# Altium PCB PCB_Incense.PcbDoc (part 2 of 3) (continued)
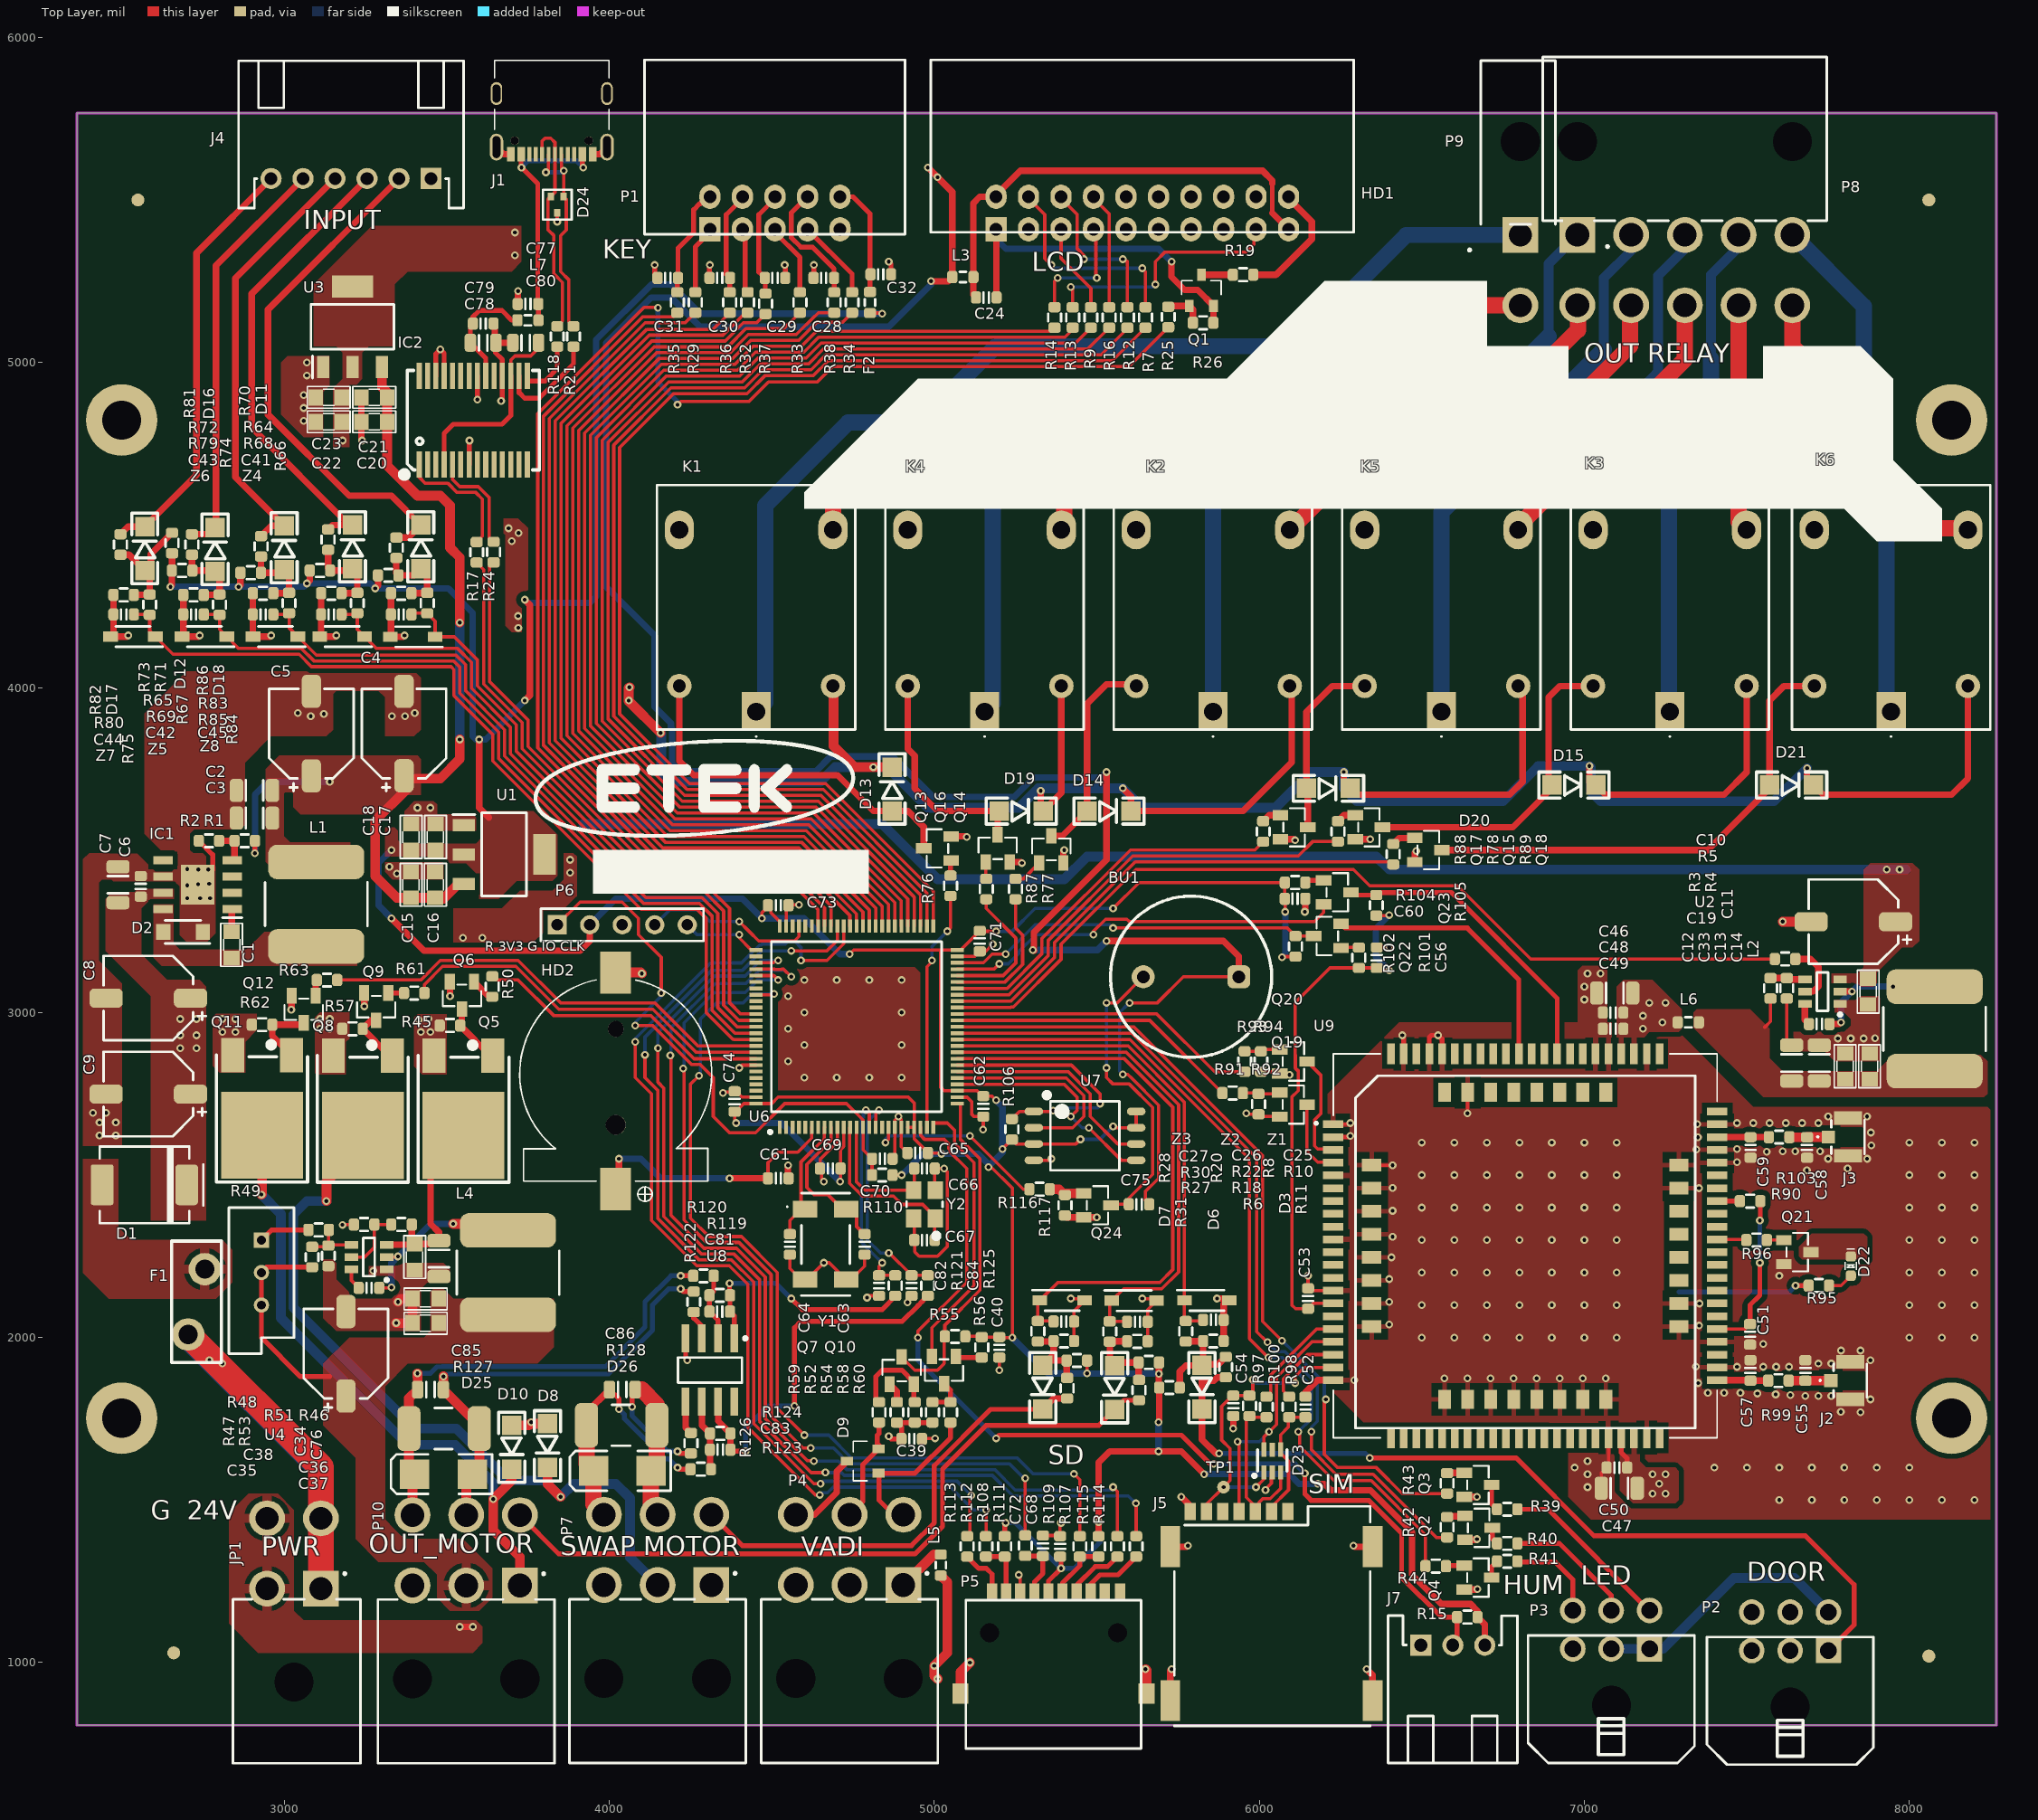
[diagram p0: Top Layer view]
## Nets (pads, with @x,y where several pads share a name; then routed paths per layer and width w, separated by ;. In a path a pad name is that pad's centre, name@x,y a point inside that pad or via, vN(x,y) a via of type N, cw(c..) or ccw(c..) an arc to the next point about the centre after c; other vN are vias at no path point) (continued)
  Top Layer w15: IC1.9@2733.62,3393.31 v1(2735.3,3394.98) 2780,3439.69 2780,3485.44 R2.2@2737.13,3528.31 ; IC2.26@3466.54,4958.41 3466.54,5026.54 v1(3480,5040) 3492.13,5027.87 IC2.25@3492.13,4958.41 ; IC2.7@3568.9,4686.69 3568.9,4758.9 v1(3570,4760) ; v1(3594.49,4885.51) IC2.21@3594.49,4958.41 ; C78.1@3650,5062.28 3650,5030 3671.26,5008.74 IC2.18@3671.26,4958.41 3671.26,4885.17 v1(3667.35,4881.26) ; C86.2@4000.63,1840 4030,1810.63 v1(4030,1780) ; v1(4140,5300) 4140,5268.5 C31.1@4148.5,5260 ; v1(4210,1600) 4215,1595 R123.2@4250,1595 ; v1(4220,2190) R120.2@4258.51,2190 ; U8.4@4235,1997.44 4235,1935 v1(4240,1930) ; C30.1@4308.5,5260 4308.5,5298.5 v1(4310,5300) ; v1(4540,5300) 4541.5,5298.5 C29.1@4541.5,5260 ; C28.1@4628.5,5260 4630,5261.5 v1(4630,5300) ; v1(4860,5310) 4866.86,5303.14 C32.1@4866.86,5271.34 ; v1(6440,2930) 6444.09,2925.91 U9.80@6444.09,2872.8 ; U9.78@6522.83,2872.8 6522.83,2922.83 6530,2930 v1(6550,2930) 6562.2,2917.8 U9.77@6562.2,2872.8
  Top Layer w20: R80.2@2474.61,4285 C44.1@2474.6,4225 2474.6,4165.75 Z7.2@2465.51,4156.65 2516.65,4156.65 v1(2520,4160) ; R69.2@2689.61,4285 C42.1@2689.6,4225 2689.6,4160.75 Z5.2@2685.51,4156.65 2736.65,4156.65 v1(2740,4160) ; R85.2@2903.51,4290 C45.1@2903.5,4225 2903.5,4157.56 Z8.2@2904.41,4156.65 2956.65,4156.65 v1(2960,4160) ; v1(3021.84,3008.63) 3022.49,3009.29 3022.49,3051.48 Q12.2@3023,3051.99 ; R79.2@3113.51,4290 C43.1@3113.5,4225 3113.5,4160.75 Z6.2@3109.41,4156.65 3156.65,4156.65 v1(3160,4160) ; C21.2@3237.05,4892.13 C20.2@3237.05,4817.13 3237.05,4762.95 v1(3240,4760) ; Q9.2@3246,3060 3246.3,3059.7 3246.3,3019.5 v1(3246.68,3019.12) ; R68.2@3328.51,4290 C41.1@3328.5,4225 3328.5,4158.05 Z4.2@3326.46,4156.01 3366.01,4156.01 v1(3370,4160) ; Q6.2@3509.73,3094.71 3509.73,3050.27 v1(3510,3050) ; v1(3540,1110) v1(3580,1110) ; C79.2@3643.7,5119.76 3647.64,5115.83 3647.64,5064.65 3650,5062.28 C78.1@3651.57,5060.71 3703.53,5060.71 C80.2@3703.6,5060.78 ; J1.SH2@3653.07,5662.73 3675.51,5640.29 J1.B1_A12@3697.17,5640.29 ; C77.1@3718.5,5180 3718.5,5218.5 v1(3720,5220) ; R128.2@3930,1769.37 C86.2@4000.63,1840 ; J1.A1_B12@3949.13,5640.29 3970.79,5640.29 J1.SH1@3993.23,5662.73 ; v1(4550,2530) 4550,2491.5 C61.1@4551.5,2490 ; P4.6@4574.09,1455.04 4631.96,1455.04 4700,1523.08 4700,1588.23 D9.3@4731.77,1620 ; Q13.2@5051.99,3542 5098,3542 v1(5100,3540) ; HD1.1@5190,5410 5191.5,5408.5 C24.1@5191.5,5200 ; Q16.2@5232,3463.01 5266.99,3463.01 v1(5270,3460) ; Q14.2@5397,3460.02 5397,3497 v1(5400,3500) ; R117.2@5401.99,2375.51 5407.5,2370 Q24.2@5460,2370 v1(5500,2370) ; J5.Shell@5726.22,883.39 5726.22,976.22 v1(5730,980) ; J5.Shell@5726.22,1356.61 5776.61,1356.61 v1(5780,1360) ; v1(5730,5310) 5730,5263.24 5770.18,5223.06 5810.36,5223.06 Q1.2@5859.45,5173.98 5859.45,5123.11 R26.2@5858.54,5122.2 ; v1(5760,1510) 5787.64,1482.36 J5.C5@5787.64,1465.08 ; v1(5870,2120) 5902.01,2120 Z1.2@5907.64,2114.37 5900.75,2114.37 5890.24,2103.86 C25.1@5890.24,2054.37 R10.2@5890.23,1989.37 ; v1(5920,1720) C54.2@5920,1758.51 ; Q17.2@6065.02,3533 6107,3533 v1(6110,3530) ; v1(6140,3310) 6141.5,3311.5 C60.1@6141.5,3350 ; C52.2@6142.09,1817.96 6142.09,1832.09 6178.86,1868.86 U9.81@6227.56,1868.86 ; v1(6290,1360) 6293.39,1356.61 J5.Shell@6348.27,1356.61 ; Q15.2@6295.02,3533 6340.86,3533 v1(6341.04,3533.19) ; v1(6330,980) 6348.27,961.73 J5.Shell@6348.27,883.39 ; Q18.2@6478.01,3463 6478.01,3492.36 v1(6482.82,3497.18) ; Q4.2@6630.76,1224.65 6668.91,1224.65 v1(6670.73,1226.48) ; Q3.2@6630.76,1509.65 6631.11,1510 v1(6670,1510) ; Q2.2@6632.75,1377.65 6667.65,1377.65 v1(6670,1380)
  Top Layer w30: v1(3344.63,2045.17) 3345.23,2044.57 C37.1@3394.92,2044.57 C36.1@3394.92,2119.57 3359.57,2119.57 v1(3350,2110) ; P10.6@3394.65,1453.94 3394.65,1573.23 D25.2@3401.42,1580 3383.7,1597.72 R127.2@3383.7,1720 3383.7,1813.07 C85.2@3410.63,1840 3410.63,1879.37 3410,1880 v1(3410,1890) ; D10.1@3700,1730 3752.01,1730 3757.01,1735 D8.1@3810,1735 ; HD2.2@4020,3123.17 4096.83,3123.17 v1(4100,3120) ; P5.9@5080.51,904.45 5080.51,970.51 v1(5110,1000) ; v1(5650,980) 5653.35,976.65 P5.10@5653.35,904.45 ; v1(7610,3280) 7610.39,3279.61 C10.2@7697.87,3279.61
  Top Layer w50: R128.2@3930,1769.37 R128.2@3930,1730 3930,1611.42 D26.2@3951.42,1590 3951.42,1487.17 P7.6@3983.54,1455.04
  Bottom Layer w15: v1(3410,1890) 3450,1890 3470,1910 3486.97,1910 3487.74,1910.77 3988.24,1910.77 4110,2032.53 4110,2110 4190,2190 v1(4220,2190) ; v1(4030,1780) 4047,1763 4047,1750.47 4170.47,1627 4183,1627 v1(4210,1600)
  Bottom Layer w20: HD1.1@5190,5410 5190,5380 5220,5350 5690,5350 v1(5730,5310)
  other v1: 7600,1500 7700,1500 7800,1500 7900,1500 8000,1500 8100,1500 8200,1500 7010,1540 7010,1580 6970,1600 7400,1600 7500,1600 7600,1600 7700,1600 7800,1600 7900,1600 8000,1600 7010,1620 3760,1740 7850,1770 7789.18,1771.89 7880,1810 7680,1820 7720,1820 7760,1820 7633.79,1823 7588.62,1825.03 7532.39,1827.98 7380,1830 7430,1830 7480,1830 7350,1860 6292.06,1869.27 6569.67,1874.31 6640.54,1874.31 6711.4,1874.31 6782.27,1874.31 6853.13,1874.31 6924,1874.31 6994.87,1874.31 7065.73,1874.94 7470,1910 7550,1910 7590,1910 7630,1910 7343.24,1910.81 7720,1920 7760,1920 7880,1930 7790,1960 7850,1960 7550,1980 6500,2000 6600,2000 6700,2000 6800,2000 6900,2000 7000,2000 7100,2000 8000,2000 8100,2000 8200,2000 7353.35,2036.87 6400,2040 6500,2100 6600,2100 6700,2100 6800,2100 6900,2100 7000,2100 7100,2100 8000,2100 8100,2100 8200,2100 7354.03,2104.87 6400,2110 6400,2180 7600,2190 6500,2200 6600,2200 6700,2200 6800,2200 6900,2200 7000,2200 7100,2200 8000,2200 8100,2200 8200,2200 3274.42,2205.27 6406.81,2246.81 6500,2300 6600,2300 6700,2300 6800,2300 6900,2300 7000,2300 7100,2300 8000,2300 8100,2300 8200,2300 6410,2310 6410,2390 6500,2400 6600,2400 6700,2400 6800,2400 6900,2400 7000,2400 7100,2400 8000,2400 8100,2400 8200,2400 6410,2460 7352.76,2459.56 6500,2500 6600,2500 6700,2500 6800,2500 6900,2500 7000,2500 7100,2500 8000,2500 8100,2500 8200,2500 7684.68,2514.56 7810,2520 7470,2540 7750,2550 7870,2550 7561.07,2571.48 7610.42,2573.15 7725.31,2573.34 7648.78,2573.53 7344.09,2578.28 7470,2580 7882.84,2591.4 6500,2600 6600,2600 6700,2600 6800,2600 6900,2600 7000,2600 7100,2600 8000,2600 8100,2600 8200,2600 7349.36,2616.12 2431.67,2621.67 2481.67,2621.67 7881.9,2630.88 7347.12,2656.36 7470,2660 7520,2660 7570,2660 7620,2660 7670,2660 7720,2660 2431.67,2661.67 2481.67,2661.67 7750,2680 7870,2680 2411.67,2691.67 2451.67,2691.67 4600,2800 4700,2800 4800,2800 4900,2800 4550,2850 4600,2900 4900,2900 7779.61,2920.39 7819.61,2920.39 7859.61,2920.39 7894.63,2920.84 4550,2950 4600,3000 4900,3000 7000,3040 4550,3050 7000,3080 4600,3100 4700,3100 4800,3100 4900,3100 7010,3120 7050,3120 2701.67,3351.67 2741.67,3351.67 2771.67,3351.67 2701.67,3391.67 2769.1,3396.23 3346.98,3427.9 2735.71,3440.34 2766.72,3439.84 2701.67,3441.67 3323.63,3448.37 3410,3630 3450,3630 3081.67,3911.67 3331.67,3911.67 3371.67,3911.67 3121.77,3918.71 3041.67,3921.67 3401.67,3921.67 3720.4,4183.59 3720,4220 3700,4450 3720.72,4475.74 3690,4490 3060,4820 3060,4860 3060,4900 3070,4960 3070,5000
DOOR: D3.2 P2.1 R11.1 | length 2685.2
  Top Layer w15: v1(6340,1630) 6790,1630 7030,1390 7680,1390 7830,1240 7830,1116.04 P2.1@7751.26,1037.29
  Top Layer w20: v1(5876.38,1643.58) 5866.42,1643.58 5823.74,1686.26 D3.2@5823.74,1779.37 5823.74,1867.37 5860.78,1867.37 5870.74,1877.33 5870.74,1877.81 R11.1@5896.82,1877.81
  Bottom Layer w15: v1(5876.38,1643.58) 6326.42,1643.58 v1(6340,1630)
DROP: D6.2 P10.4 R23.1 | length 2253
  Top Layer w15: P10.4@3725.35,1453.94 3844.79,1334.5 4940.56,1334.5 5025.5,1419.44 5025.5,1595.5 5160,1730 5506.49,1730 D6.2@5555,1778.51 5583.5,1807.01 R23.1@5630,1807.01
EMPTY: D7.2 P7.4 R31.1 | length 1424.6
  Top Layer w15: P7.4@4314.25,1455.04 4409.29,1360 4930,1360 5000,1430 5000,1606.06 5173.31,1779.37 D7.2@5333.74,1779.37
  Top Layer w20: D7.2@5333.74,1779.37 5367.24,1812.87 R31.1@5408.74,1812.87
Flight_mode: R90.2 U9.54 | length 69.9
  Top Layer w15: U9.54@7408.66,2420.04 U9.54@7408.66,2420.04 R90.2@7478.51,2420
GND_motor: C85.1 D25.1 P10.5 R122.2 R127.1 | length 1419.9
  Top Layer w15: v1(4220,2150) 4228.51,2141.49 R122.2@4260,2141.49
  Top Layer w30: v1(3490,1880.5) 3490,1840.63 C85.1@3489.37,1840 3600.24,1729.13 R127.1@3600.24,1720 3600.24,1601.65 D25.1@3578.58,1580 3560,1561.42 P10.5@3560,1453.94
  Bottom Layer w15: v1(3490,1880.5) 3497.27,1887.77 3997.77,1887.77 4133,2023 4133,2100.47 4182.53,2150 v1(4220,2150)
GND_SWap_motor: C86.1 D26.1 P7.5 R126.2 R128.1 | length 754.3
  Top Layer w15: v1(4070,1787.08) 4070,1830.63 C86.1@4079.37,1840 ; v1(4210,1650) 4216.49,1643.51 R126.2@4251.49,1643.51
  Top Layer w20: C86.1@4079.37,1840 4100,1840
  Top Layer w50: 4100,1840 4146.54,1793.47 R128.1@4146.54,1730 4146.54,1607.95 D26.1@4128.58,1590 4128.58,1475.35 P7.5@4148.9,1455.04
  Bottom Layer w15: v1(4070,1787.08) 4070,1760 4180,1650 v1(4210,1650)
Heater: R76.2 U6.24 | length 742
  Top Layer w10: U6.24@4977.36,2646.61 4977.36,3140.57 4993,3156.21 v1(4993,3160) ; v1(5040,3250) 5050,3260 R76.2@5050,3358.51
  Bottom Layer w10: v1(4993,3160) 4993,3203 v1(5040,3250)
Heater1: K1.3 P9.2 | length 2455.8
  Top Layer w50: K1.3@4688.23,4485 4688.23,4578.23 4900,4790 5830,4790 6215.83,5175.83 P9.2@6803.28,5175.83
Heater2: K1.1 P9.1 | length 3313.7
  Bottom Layer w50: K1.1@4452.01,3925.94 4480,3953.94 4480,4560 4735,4815 4955,4815 5190,5050 6110,5050 6452.36,5392.36 P9.1@6803.28,5392.36
I_M_SENSE: C81.1 R119.2 R121.1 U8.1 | length 737.1
  Top Layer w15: v1(4370,2166.47) 4370,2131.49 R119.2@4371.49,2130 C81.1@4371.5,2080 4385,2066.5 U8.1@4385,1997.44 ; v1(4560,2120) 4593.61,2086.39 4840,2086.39 4880,2126.39 R121.1@4880,2128.5
  Bottom Layer w15: v1(4370,2166.47) 4513.53,2166.47 v1(4560,2120)
IN_DOOR: C25.2 R8.1 U6.35 Z1.1 | length 1500.7
  Top Layer w10: U6.35@5070.47,2897.2 5596.43,2897.2 5769.84,2723.79 5769.84,2269.84 Z1.1@5769.84,2114.37 5769.84,2054.77 R8.1@5773.74,2050.87 5823.74,2050.87 C25.2@5827.25,2054.37
IN_DROP: C26.2 R20.1 U6.34 Z2.1 | length 1625.1
  Top Layer w10: U6.34@5070.47,2877.52 5590.66,2877.52 5751.84,2716.33 5751.84,2319.25 5751.84,2201.84 5700,2150 5582.6,2150 5550,2117.4 Z2.1@5546.1,2113.51 5540,2107.4 R20.1@5540,2050 5592.01,2050 C26.2@5593.51,2048.51
IN_EMPTY: C27.2 R28.1 U6.33 Z3.1 | length 1788.1
  Top Layer w10: U6.33@5070.47,2857.83 5584.89,2857.83 5733.84,2708.88 5733.84,2209.3 5694.54,2170 5380.47,2170 Z3.1@5324.84,2114.37 5318.74,2108.27 R28.1@5318.74,2050.87 5365.75,2050.87 C27.2@5367.25,2049.37
INPUT1: D11.2 J4.2 R70.1 | length 1594.7
  Top Layer w20: R70.1@3345,4461.5 3381.5,4461.5 D11.2@3420,4500 3330,4590 3200,4590 2950,4840 2950,5162.75 J4.2@3353.15,5565.9
INPUT2: D16.2 J4.3 R81.1 | length 1417.7
  Top Layer w20: R81.1@3135,4486.5 3148.5,4500 D16.2@3200,4500 ; D16.2@3210,4500 D16.2@3200,4500 ; J4.3@3254.72,5565.9 2900,5211.18 2900,4800 D16.2@3200,4500
INPUT3: D18.2 J4.4 R86.1 | length 1341.3
  Top Layer w20: R86.1@2928.79,4465.9 2960.32,4497.43 D18.2@2999.72,4497.43 2850,4647.16 2850,5259.6 J4.4@3156.3,5565.9
INPUT4: D12.2 J4.5 R71.1 | length 1265.5
  Top Layer w20: R71.1@2716.1,4471.5 2766.5,4471.5 D12.2@2787.2,4492.2 2790,4495 2790,5298.03 J4.5@3057.87,5565.9
INPUT5: D17.2 J4.6 R82.1 | length 1316.5
  Top Layer w20: R82.1@2496.1,4471.5 2519.6,4495 D17.2@2571.1,4495 2730,4653.9 2730,5336.43 J4.6@2959.47,5565.9
KP_COL1: R29.1 U6.63 | length 2782.5
  Top Layer w10: R29.1@4264.97,5153.23 4233.77,5122.02 4110.26,5122.02 4102.24,5114 3816,4827.76 3816,4761.47 3816,3829.46 4157.46,3488 4576.53,3488 4760.83,3303.7 U6.63@4760.83,3265.91
KP_COL2: R32.1 U6.61 | length 2899.9
  Top Layer w10: R32.1@4425.77,5153.23 4418.67,5153.23 4349.42,5083.98 4123.13,5083.98 3852,4812.85 3852,4746.56 3852,3844.37 4172.37,3524 4591.44,3524 4800.2,3315.25 U6.61@4800.2,3265.91
KP_COL3: R33.1 U6.59 | length 3017.4
  Top Layer w10: R33.1@4586.57,5153.23 4537.34,5104 4420.35,5104 4364.34,5047.98 4138.04,5047.98 3888,4797.94 3888,4731.65 3888,3859.28 4187.28,3560 4606.35,3560 4839.57,3326.79 U6.59@4839.57,3265.91
KP_COL4: R34.1 U6.57 | length 3134.9
  Top Layer w10: R34.1@4747.36,5153.23 4718.36,5124.22 4639.14,5124.22 4582.92,5068 4435.27,5068 4379.25,5011.98 4152.95,5011.98 3924,4783.03 3924,4716.73 3924,3874.19 4202.19,3596 4621.27,3596 4878.94,3338.33 U6.57@4878.94,3265.91
KP_ROW1: R35.1 U6.64 | length 2748.9
  Top Layer w10: R35.1@4209.71,5153.23 4196.5,5140.02 4102.8,5140.02 4098.78,5135.99 3798,4835.22 3798,3822 4150,3470 4569.07,3470 4740.24,3298.84 4740.24,3266.81 U6.64@4741.14,3265.91
KP_ROW2: R36.1 U6.62 | length 2866.4
  Top Layer w10: R36.1@4370.5,5153.23 4319.26,5101.98 4115.68,5101.98 3834,4820.31 3834,4754.01 3834,3836.91 4164.91,3506 4583.99,3506 4780.51,3309.47 U6.62@4780.51,3265.91
KP_ROW3: R37.1 U6.60 | length 2931.6
  Top Layer w10: R37.1@4480.84,5149.06 4453.78,5122 4412.9,5122 4356.88,5065.98 4130.59,5065.98 3870,4805.4 3870,4739.1 3870,3851.82 4179.82,3542 4598.9,3542 4819.88,3321.02 U6.60@4819.88,3265.91
KP_ROW4: R38.1 U6.58 | length 3101.3
  Top Layer w10: R38.1@4692.1,5153.23 4643.23,5153.23 4632.22,5142.22 4631.68,5142.22 4575.46,5086 4427.81,5086 4371.79,5029.98 4145.5,5029.98 3906,4790.48 3906,4724.19 3906,3866.73 4194.73,3578 4613.81,3578 4859.25,3332.56 U6.58@4859.25,3265.91
LCD_CLK: HD1.6 R12.2 | length 500.4
  Top Layer w10: HD1.6@5390,5510 5390,5505 5440,5455 5440,5350 5460,5330 v1(5460,5318) ; v1(5580,5318) 5583.79,5318 5589.65,5312.14 5594,5312.14 R12.2@5594,5170
  Bottom Layer w10: v1(5460,5318) 5461,5319 5462,5318 v1(5580,5318)
LCD_CS: HD1.4 R7.2 | length 647.3
  Top Layer w10: HD1.4@5290,5510 5290,5505 5340,5455 5340,5320 v1(5360,5300) ; v1(5640,5290) 5650,5280 R7.2@5650,5170
  Bottom Layer w10: v1(5360,5300) 5370,5290 v1(5640,5290)
LCD_DI: HD1.5 R9.2 | length 278.1
  Top Layer w10: HD1.5@5390,5410 5390,5320 5482,5228 R9.2@5482,5170
LCD_DO: HD1.8 R16.2 | length 359.9
  Top Layer w10: HD1.8@5490,5510 5490,5505 5538,5457 R16.2@5538,5170
LCD_INT: HD1.7 R14.2 | length 368.3
  Top Layer w10: R14.2@5370,5170 5370,5250 v1(5380,5260) ; HD1.7@5490,5410 5497.32,5402.68 5497.32,5262.68 v1(5500,5260)
  Bottom Layer w10: v1(5380,5260) v1(5500,5260)
LCD_KLIGHT: HD1.20 R19.1 | length 385.2
  Top Layer w20: R19.1@5981.5,5270 6051.5,5270 6161.5,5380 6161.5,5433.5 6090,5505 HD1.20@6090,5510
LCD_RST: HD1.17 R13.2 | length 772.7
  Top Layer w10: v1(5420.18,5232.57) 5426,5226.75 R13.2@5426,5170 ; v1(5680,5240) 5680,5310 5710,5340 5960,5340 5983.91,5363.91 5983.91,5403.91 HD1.17@5990,5410
  Bottom Layer w10: v1(5420.18,5232.57) 5672.57,5232.57 v1(5680,5240)
LCD_VDD: C24.2 HD1.2 HD1.19 L3.2 | length 1440.8
  Top Layer w15: 6040,5460 6040,5550
  Top Layer w20: L3.2@5120,5262.77 5120,5490 5140,5510 HD1.2@5190,5510 5190,5515 5265,5590 6010,5590 6040,5560 6040,5550 ; L3.2@5120.5,5262.77 5120.5,5208.01 C24.2@5128.51,5200 ; 6040,5460 HD1.19@6090,5410
LED_1: R43.2 U6.38 | length 2539.8
  Top Layer w10: U6.38@5070.47,2956.26 5613.74,2956.26 6010,2560 6010,2050 v1(6070,1990) ; v1(6205,1810) 6200,1810 6200,1640.91 6240.91,1600 6360,1600 6439.84,1520.16 R43.2@6577.75,1520.16
  Bottom Layer w10: v1(6070,1990) 6085.61,1974.39 6086.53,1974.39 6166,1894.91 6196,1864.91 6196,1864 6200,1860 6200,1810 v1(6205,1810)
LED_2: R42.2 U6.37 | length 2616
  Top Layer w10: U6.37@5070.47,2936.57 5607.97,2936.57 5992,2552.54 5992,2018 6025,1985 6025.52,1985.52 v1(6025.52,1985.9) ; v1(6160,1710) 6160,1655.46 6235.46,1580 6350,1580 6544.84,1385.16 R42.2@6577.75,1385.16
  Bottom Layer w10: v1(6025.52,1985.9) 6025.52,1983.4 6022.12,1980 6030,1980 6053.61,1956.39 6079.07,1956.39 6148,1887.46 6178,1857.46 6178,1742.54 6160,1724.54 v1(6160,1710)
LED_3: R44.2 U6.36 | length 2652.8
  Top Layer w10: U6.36@5070.47,2916.89 5602.2,2916.89 5969.54,2549.54 5969.54,1996.5 v1(6027.66,1938.39) ; v1@6124,1710 6124,1666 6230,1560 6344.54,1560 6511.26,1393.28 R44.2@6511.26,1296.65
  Bottom Layer w10: v1(6027.66,1938.39) 6071.61,1938.39 6160,1850 6160,1750 v1(6120,1710)
MCU_4G_RX: Q22.3 R102.2 U6.48 | length 1159.9
  Top Layer w10: U6.48@5070.47,3153.11 5151.42,3153.11 5178.31,3180 v1(5220,3180) ; v1(5550,3260) 6086.61,3260 R102.2@6111.38,3235.23 6166.87,3235.23 Q22.3@6167.38,3235.74
  Bottom Layer w10: v1(5220,3180) 5310,3270 5540,3270 v1(5550,3260)
MCU_4G_TX: Q23.2 U6.47 | length 1239.7
  Top Layer w10: U6.47@5070.47,3133.43 5183.43,3133.43 v1(5200,3150) ; v1(5490,3240) 5490,3250 5527,3287 5593,3287 5600,3280 6170,3280 6198.01,3308.01 Q23.2@6198.01,3333
  Bottom Layer w10: v1(5200,3150) 5228.18,3150 5261.34,3183.16 5261.34,3188.62 5312.72,3240 v1(5490,3240)
MCU_DEBUG_RX: R17.1 U6.69 | length 1797.3
  Top Layer w10: R17.1@3592.05,4384.49 3613.96,4362.58 3613.96,4010.59 3732,3892.54 3732,3811.32 4129.32,3414 4545.09,3414 4642.72,3316.37 U6.69@4642.72,3265.91
MCU_DEBUG_TX: R24.1 U6.68 | length 1795.7
  Top Layer w10: R24.1@3644.32,4385.05 3630.63,4371.36 3631.96,4370.03 3631.96,4018.04 3750,3900 3750,3818.77 4136.77,3432 4552.54,3432 4662.4,3322.14 U6.68@4662.4,3265.91
MCU_IN1: C41.2 R66.1 U6.86 Z4.1 | length 1864.4
  Top Layer w10: C41.2@3391.49,4225 3395,4228.5 R66.1@3440,4228.5 3464.26,4204.25 Z4.1@3464.26,4156.01 3523.08,4156.01 3594,4085.09 3594,4005.09 3714,3885.09 3714,3803.86 4127.86,3390 4300,3390 4370,3320 4370,3030 4404.37,2995.63 U6.86@4451.18,2995.63
MCU_IN2: C43.2 R74.1 U6.87 Z6.1 | length 2088.4
  Top Layer w10: C43.2@3176.49,4225 3221.5,4225 R74.1@3225,4228.5 3225,4178.86 Z6.1@3247.2,4156.65 3283.86,4120 3533.63,4120 3576,4077.63 3576,3997.63 3696,3877.63 3696,3796.41 4120.4,3372 4292.54,3372 4352,3312.54 4352,3022.54 4398.6,2975.94 U6.87@4451.18,2975.94
MCU_IN3: C45.2 R84.1 U6.88 Z8.1 | length 2303.6
  Top Layer w10: C45.2@2966.49,4225 3011.5,4225 R84.1@3015,4228.5 3015,4183.86 Z8.1@3042.2,4156.65 3098.86,4100 3528.18,4100 3558,4070.18 3558,3990.18 3678,3870.18 3678,3788.95 4112.95,3354 4285.09,3354 4334,3305.09 4334,3015.09 4392.79,2956.3 4451.14,2956.3 U6.88@4451.18,2956.26
MCU_IN4: C42.2 R67.1 U6.89 Z5.1 | length 2522.7
  Top Layer w10: C42.2@2752.6,4225 2799.61,4225 R67.1@2801.1,4223.5 2801.1,4178.86 Z5.1@2823.31,4156.65 2859.96,4120 3053.4,4120 3091.4,4082 3520.72,4082 3540,4062.72 3540,3982.72 3660,3862.72 3660,3781.49 4105.49,3336 4277.63,3336 4316,3297.63 4316,3007.63 4387.06,2936.57 U6.89@4451.18,2936.57
MCU_IN5: C44.2 R75.1 U6.90 Z7.1 | length 2748.8
  Top Layer w10: C44.2@2537.6,4225 2584.61,4225 R75.1@2586.1,4223.5 2586.1,4173.86 Z7.1@2603.31,4156.65 2657.96,4102 3045.95,4102 3083.95,4064 3513.27,4064 3522,4055.27 3522,3975.27 3642,3855.27 3642,3774.04 4098.04,3318 4270.18,3318 4298,3290.18 4298,3000.18 4379.6,2918.57 4381.43,2918.57 4383.11,2916.89 U6.90@4451.18,2916.89
MCU_IO_BUZZ: R116.2 U6.18 | length 574.8
  Top Layer w10: v1(4850,2600) 4859.25,2609.25 U6.18@4859.25,2646.61 ; v1(5110,2620) 5273.58,2456.42 R116.2@5292.5,2456.42
  Bottom Layer w10: v1(4850,2600) 4850,2610 4860,2620 v1(5110,2620)
MCU_LCD_CLK: R12.1 U6.52 | length 3855.8
  Top Layer w10: U6.52@4977.36,3265.91 4977.36,3367.18 4658.54,3686 4239.47,3686 4014,3911.47 4014,4679.46 4014,4745.75 4190.23,4921.98 4416.53,4921.98 4472.54,4978 4621.12,4978 4666.55,5023.42 5513.42,5023.42 5594,5104 R12.1@5594,5107.01
MCU_LCD_CS: R7.1 U6.51 | length 3888.3
  Top Layer w10: U6.51@4997.05,3265.91 4997.05,3372.95 4666,3704 4246.93,3704 4032,3918.93 4032,4672 4032,4738.29 4197.69,4903.98 4423.98,4903.98 4480,4960 4628.58,4960 4674,5005.42 5548.42,5005.42 R7.1@5650,5107.01
MCU_LCD_DATA: R9.1 U6.54 | length 3785.3
  Top Layer w10: U6.54@4937.99,3265.91 4937.99,3355.64 4643.63,3650 4224.56,3650 3978,3896.56 3978,4694.37 3978,4760.66 4175.32,4957.98 4401.62,4957.98 4457.63,5014 4606.21,5014 4651.63,5059.42 5434.42,5059.42 R9.1@5482,5107.01
MCU_LCD_DO: R16.1 U6.53 | length 3819.7
  Top Layer w10: U6.53@4957.68,3265.91 4957.68,3361.41 4651.09,3668 4232.01,3668 3996,3904.01 3996,4686.91 3996,4753.21 4182.78,4939.98 4409.07,4939.98 4465.09,4996 4613.67,4996 4659.09,5041.42 5472.42,5041.42 R16.1@5538,5107.01
MCU_LCD_INT: R14.1 U6.56 | length 3716.7
  Top Layer w10: U6.56@4898.62,3265.91 4898.62,3344.1 4628.72,3614 4209.65,3614 3942,3881.65 3942,4709.28 3942,4775.57 4160.41,4993.98 4386.7,4993.98 4442.72,5050 4591.3,5050 4637.04,5095.74 5355.78,5095.74 5367.05,5107.01 R14.1@5370,5107.01
MCU_LCD_LIGHT: R25.2 U6.67 | length 4632
  Top Layer w10: v1(4150,5168) 4148,5170 4107.32,5170 3780,4842.68 3780,3814.23 4144.23,3450 4560,3450 4682.09,3327.91 4682.09,3310 U6.67@4682.09,3265.91 ; v1(4210,4870) 4220,4880 4430,4880 4490,4940 4640,4940 4687.42,4987.42 5598.92,4987.42 R25.2@5720,5108.51
  Bottom Layer w15: v1(4150,5168) 4150,4940 4210,4880 v1(4210,4870)
MCU_LCD_RST: R13.1 U6.55 | length 3754.1
  Top Layer w10: U6.55@4918.31,3265.91 4918.31,3349.87 4636.18,3632 4217.1,3632 3960,3889.1 3960,4701.82 3960,4768.12 4167.87,4975.98 4394.16,4975.98 4450.18,5032 4598.76,5032 4644.5,5077.74 5401.99,5077.74 5426,5101.76 R13.1@5426,5107.01
MCU_MOTOR_CUR: C82.2 R121.2 U6.15 | length 652.9
  Top Layer w10: v1(4790,2700) 4800.2,2689.8 U6.15@4800.2,2646.61 ; v1(4840,2230) 4830,2220 C82.2@4830,2191.49 R121.2@4880,2191.49
  Bottom Layer w10: v1(4790,2700) 4782,2692 4782,2677.46 4776.01,2671.47 4776.01,2293.35 4782,2287.36 4827.36,2242 4828,2242 v1(4840,2230)
MCU_MOTOR_SWAP_CUR_ADC: C84.2 R125.1 U6.16 | length 702.9
  Top Layer w10: U6.16@4819.88,2646.61 4819.88,2689.88 v1(4830,2700) ; v1(4860,2260) 4861.49,2260 C84.2@4930,2191.49 R125.1@4980,2191.5
  Bottom Layer w10: v1(4830,2700) 4794.01,2664.01 4794.01,2300.8 4834.82,2260 v1(4860,2260)
MCU_RELAY1: R87.2 U6.46 | length 430.1
  Top Layer w10: U6.46@5070.47,3113.74 5211.92,3113.74 5250.96,3152.78 5250.96,3229.04 5160,3320 R87.2@5160,3348.51
MCU_RELAY2: R77.2 U6.45 | length 433.1
  Top Layer w10: U6.45@5070.47,3094.06 5217.69,3094.06 5271.82,3148.18 5271.82,3238.18 5250,3260 R77.2@5250,3348.51
MCU_RELAY3: R88.2 U6.44 | length 1155.6
  Top Layer w10: U6.44@5070.47,3074.37 5224.34,3074.37 5330.44,3180.47 5330.44,3226.81 5603.63,3500 5986.26,3500 R88.2@6012.01,3525.75
MCU_RELAY4: R78.2 U6.43 | length 1393.8
  Top Layer w10: U6.43@5070.47,3054.69 5230.11,3054.69 5350,3174.58 5350,3220.91 5611.09,3482 6120,3482 6163.75,3525.75 R78.2@6242.01,3525.75
MCU_RELAY5: R89.2 U6.42 | length 1549.8
  Top Layer w10: U6.42@5070.47,3035 5235.88,3035 5370,3169.12 5370,3215.46 5618.54,3464 6403.76,3464 R89.2@6412.01,3455.75
MCU_RX_VADI: Q7.3 R55.2 U6.26 | length 1034.5
  Top Layer w10: Q7.3@4899.92,1940.65 4899.92,1940.08 4940,1900 5010,1900 5030,1920 R55.2@5030,2003.49 ; R55.2@5032.41,2003.49 5032.41,2037.95 5140,2145.54 5140,2550 5080,2610 5080,2720.04 U6.26@5070.47,2720.04
MCU_TX_VADI: Q10.2 U6.25 | length 860
  Top Layer w10: Q10.2@4993,1941.99 4993,2030 5122,2159 5122,2538 5062,2598 5062,2638 5040,2660 5000,2660 4997.05,2657.05 U6.25@4997.05,2646.61
MODEM_KEY: R93.2 U6.40 | length 969
  Top Layer w10: U6.40@5070.47,2995.63 5684.37,2995.63 5862.12,2817.88 R93.2@5954.92,2817.88 R93.2@5947.17,2825.63
MODEM_RST: R91.2 U6.39 | length 908.8
  Top Layer w10: U6.39@5070.47,2975.94 5662.81,2975.94 R91.2@5886.56,2752.19
Net_Light: R96.2 U9.51 | length 90.6
  Top Layer w10: U9.51@7408.66,2301.93 7496.58,2301.93 R96.2@7498.51,2300
NetBU1_2: BU1.2 C75.1 Q24.3 | length 940.4
  Top Layer w10: v1(5530,2830) 5530,2800 5550,2780 5600,2780 5672,2708 5672,2502 5598.5,2428.5 C75.1@5598.5,2410 5547,2410 Q24.3@5544,2407 ; v1(5530,3030) 5563,3030 BU1.2@5643,3110
  Bottom Layer w10: v1(5530,2830) v1(5530,3030)
NetC19_1: C19.1 U2.6 | length 67.8
  Top Layer w20: U2.6@7678.66,3027.2 7678.66,2977.24 C19.1@7691.3,2964.61
NetC19_2: C19.2 L2.1 U2.2 | length 316.1
  Top Layer w20: C19.2@7754.29,2964.61 7784.61,2964.61 v1(7790,2970) ; U2.2@7786.93,3064.61 7823.46,3064.61 v1(7823.65,3064.8)
  Bottom Layer w20: v1(7790,2970) 7790,3031.15 v1(7823.65,3064.8) 7838.85,3080 v1(7950,3080)
NetC32_2: C32.2 F2.2 P1.10 | length 366
  Top Layer w15: P1.10@4710,5510 4750,5510 4802.36,5457.64 C32.2@4802.36,5276.14 ; F2.2@4802.86,5216.71 F2.2@4802.36,5217.2 C32.2@4802.36,5272.85 ; C32.2@4803.87,5271.34 C32.2@4802.36,5272.85 ; C32.2@4808.51,5270 C32.2@4802.36,5276.14 ; C32.2@4802.36,5272.85 C32.2@4802.36,5276.14